# Altium PCB PCB Getway.PcbDoc
Units mm, origin at the board's own origin, x right, y up, seen from the top; angles counter-clockwise.
Board outline 78.14 x 53.25 mm, 2 copper layers (Top Layer, Bottom Layer); 94 components, 50 nets, 282 pads, 61 vias.
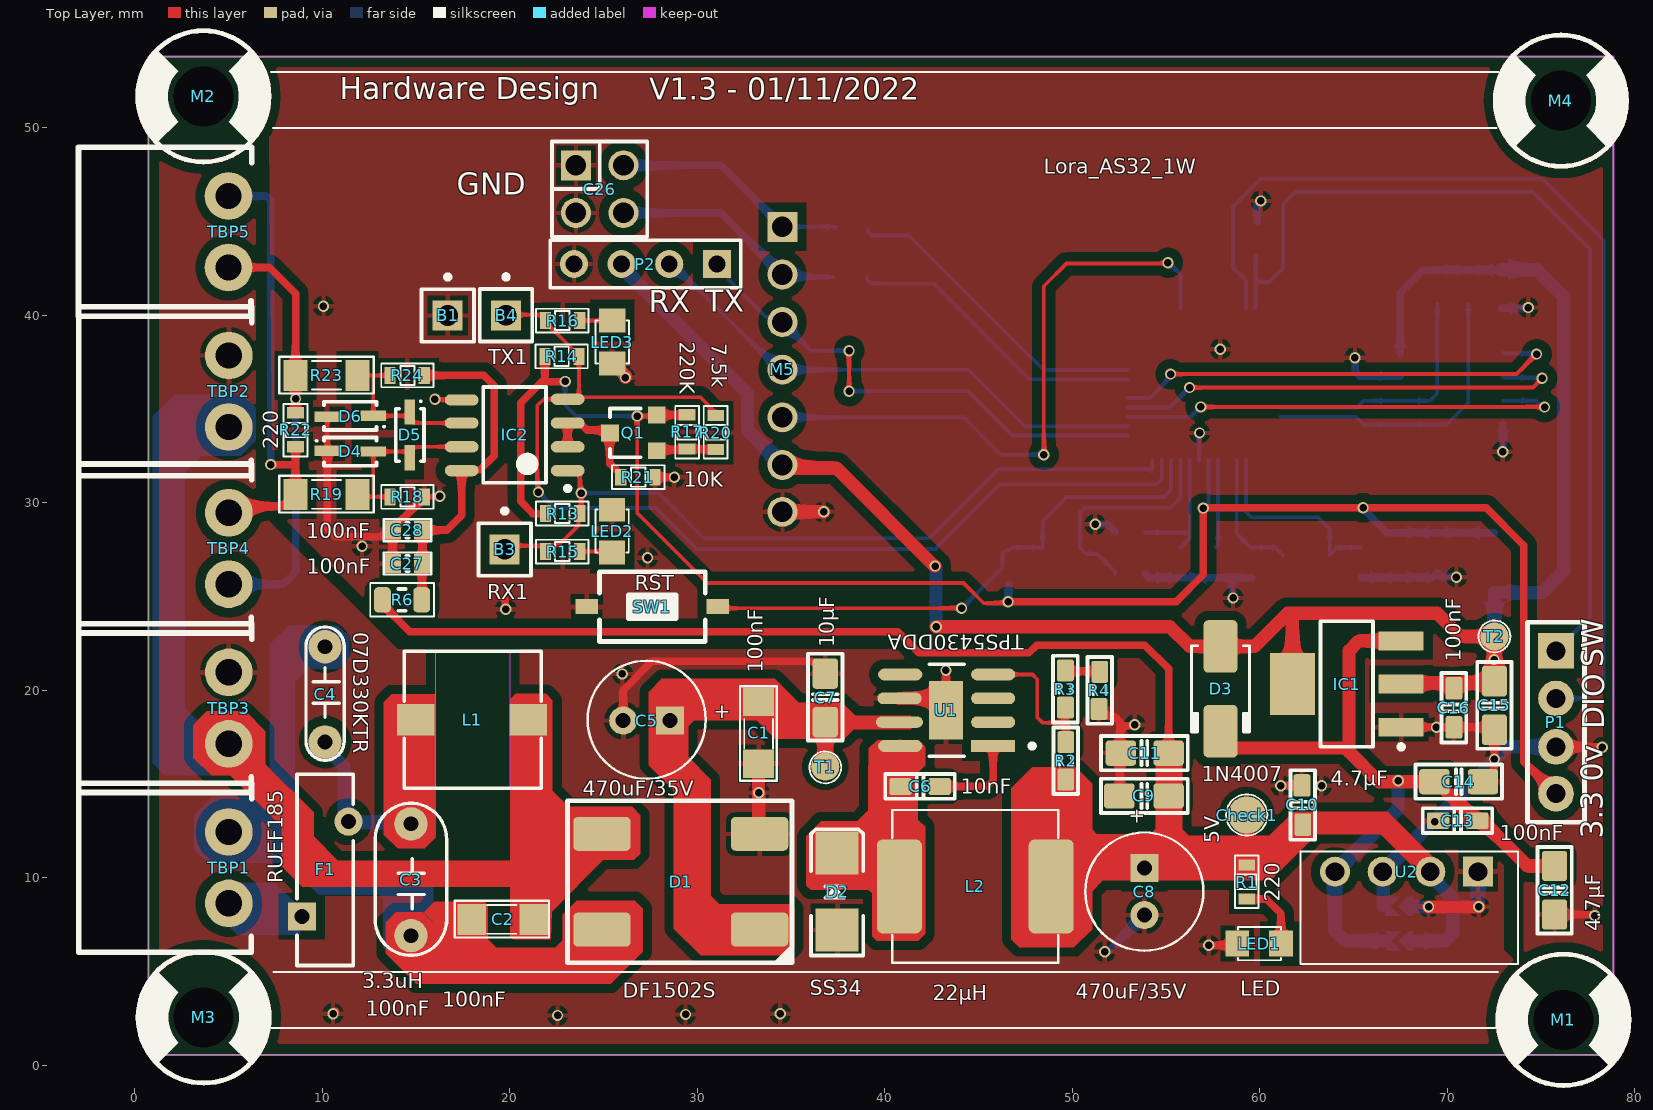
[diagram p0: Top Layer view]
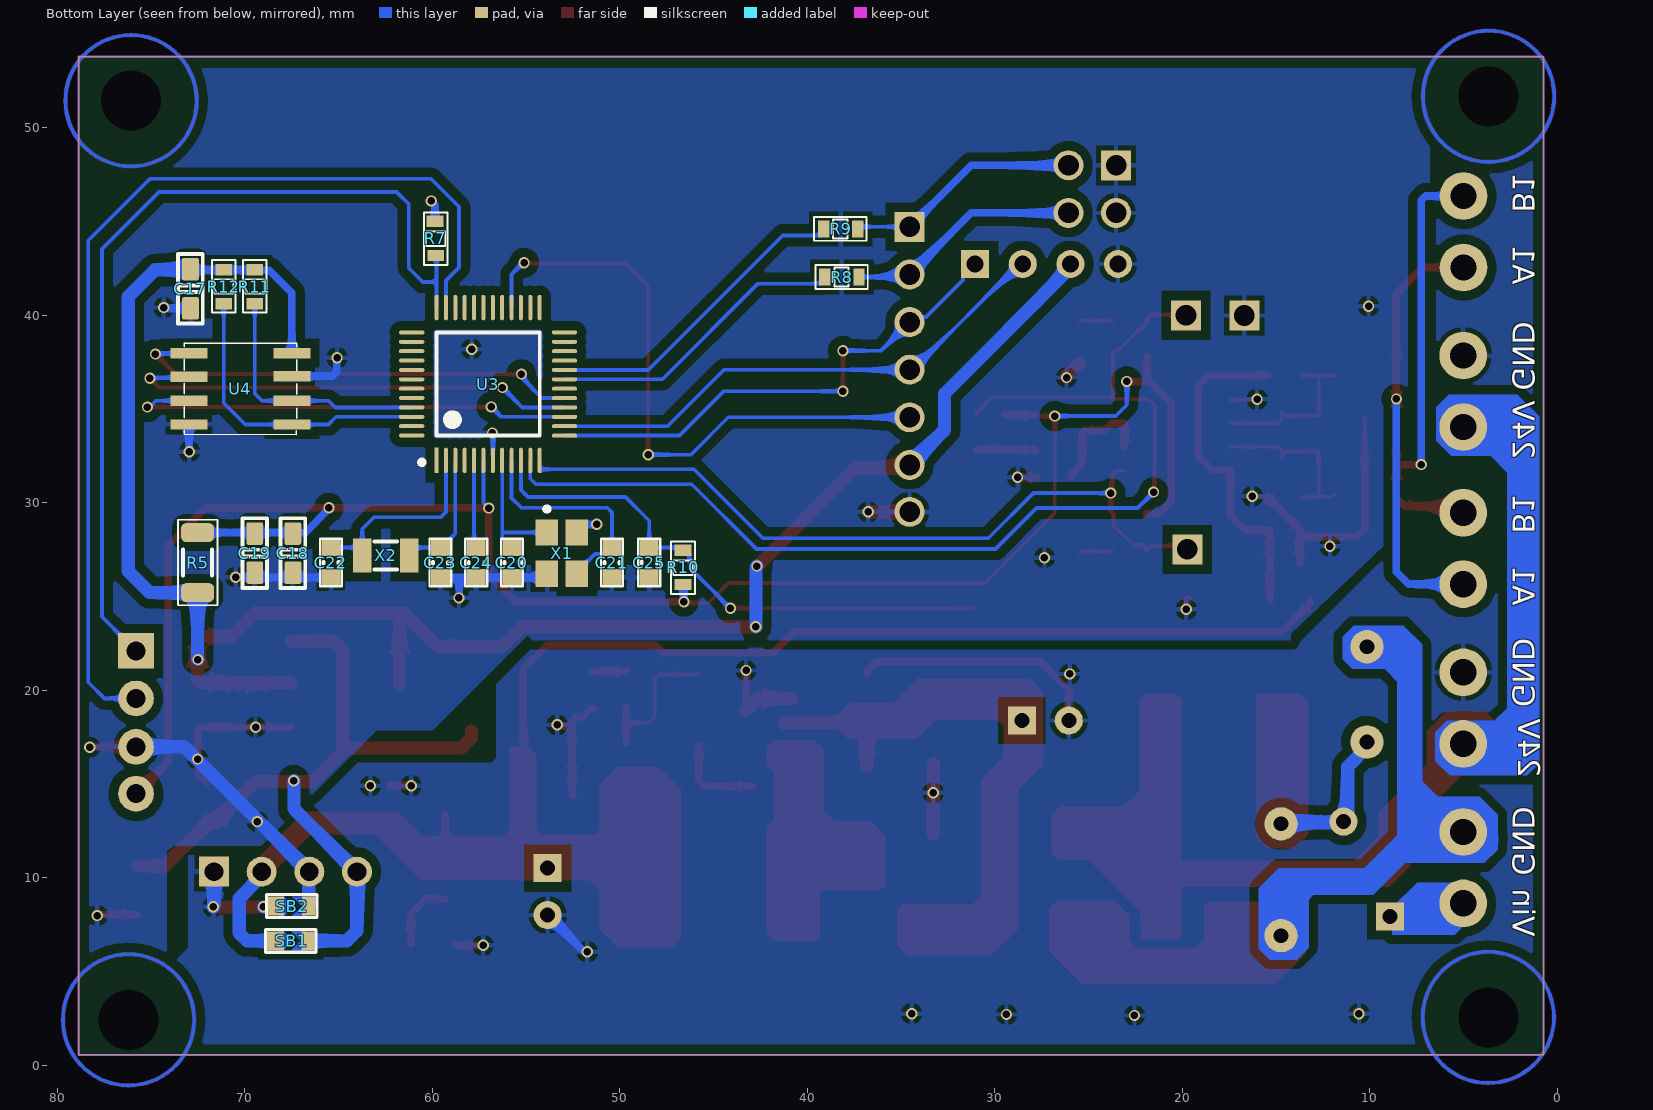
[diagram p1: Bottom Layer view, seen from below]
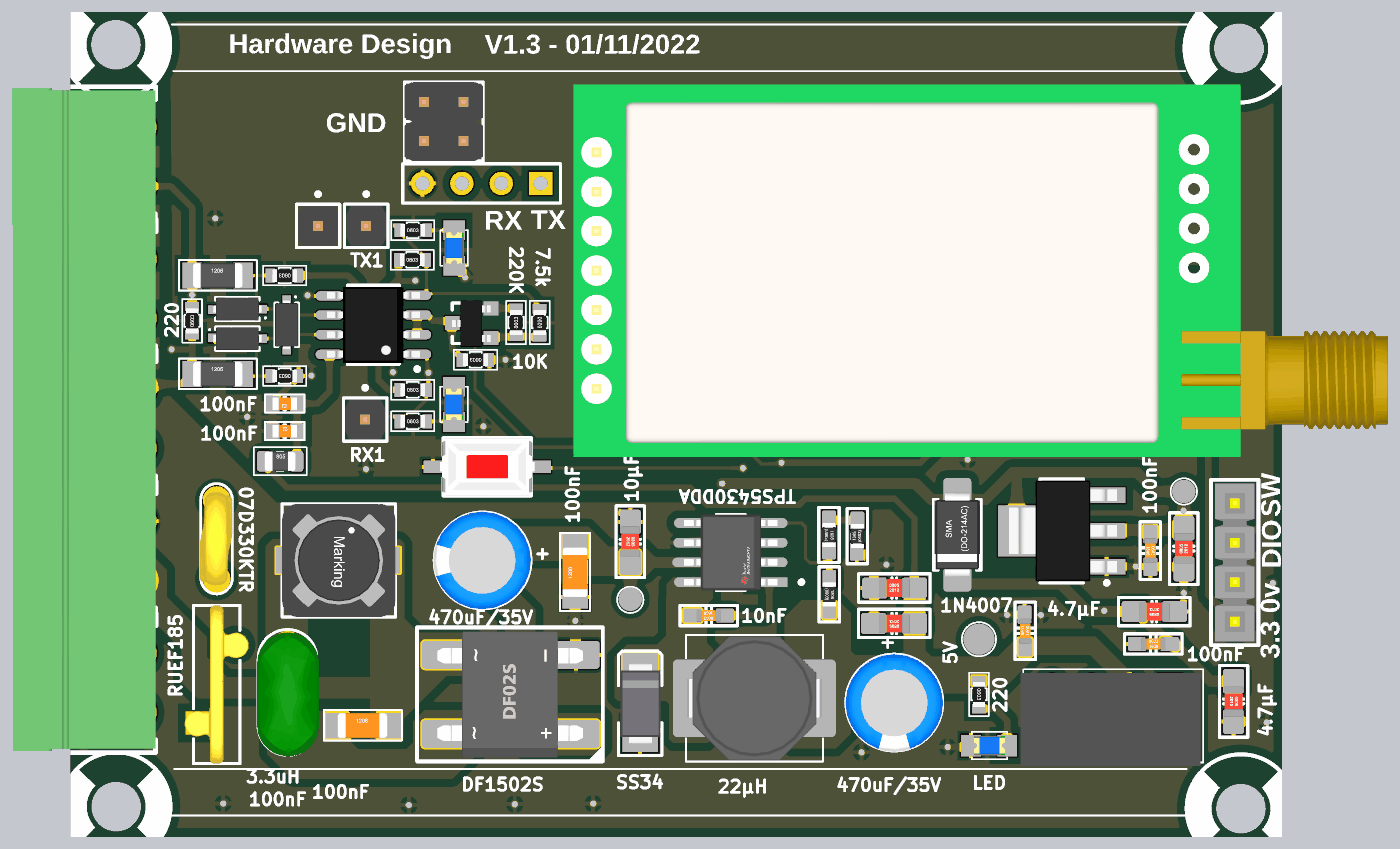
[diagram p2: 3D render of the assembled board from above, using the file's embedded part models]
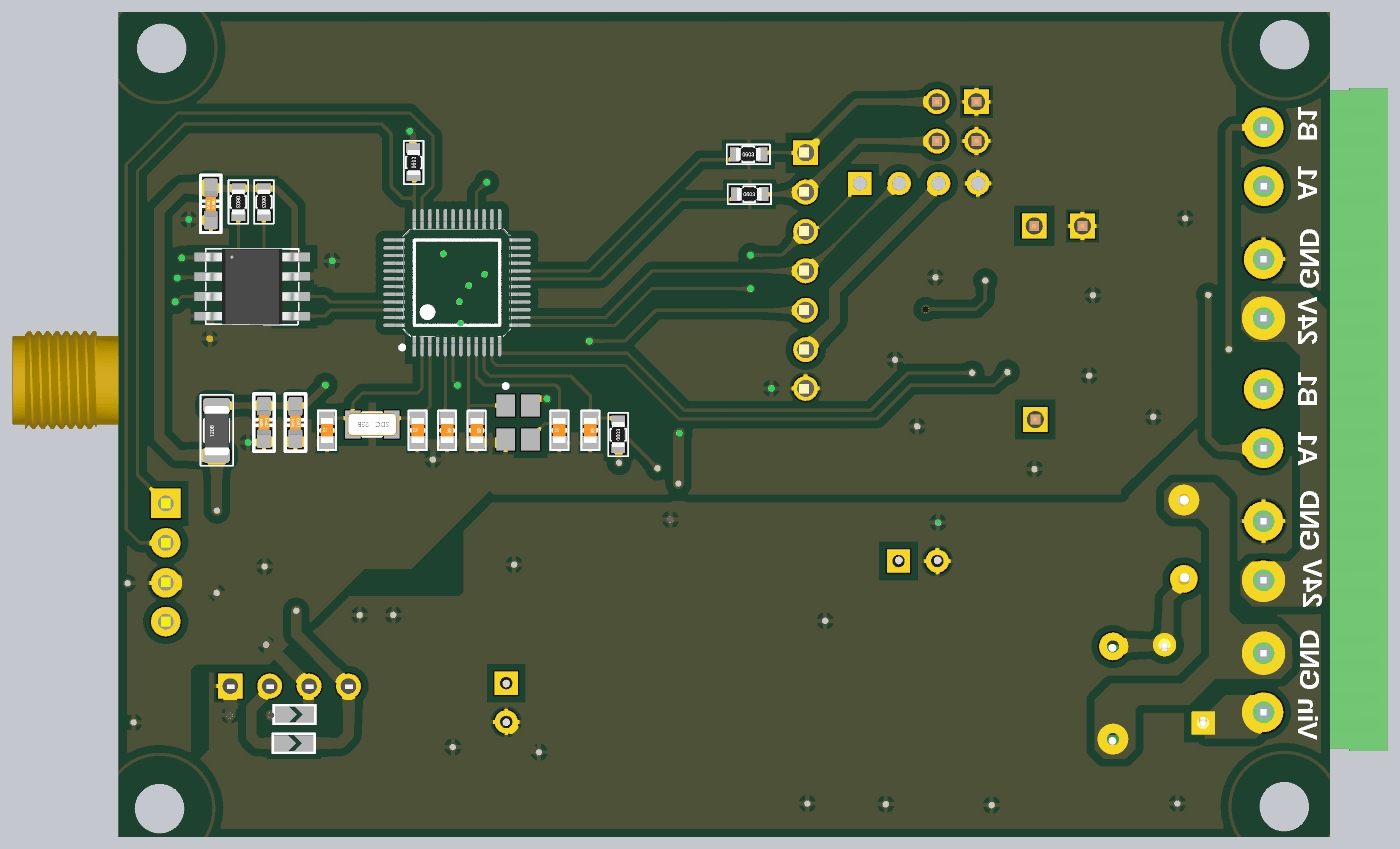
[diagram p3: 3D render of the assembled board from below, using the file's embedded part models]

## Layer stack, top to bottom
Top Solder: solder mask 0.0102, Solder Resist, Dk 3.5
Top Layer: signal copper 0.0356
Dielectric 1: dielectric 0.32, FR-4, Dk 4.8
Bottom Layer: signal copper 0.0356
Bottom Solder: solder mask 0.0102, Solder Resist, Dk 3.5

## Board outline
0.723,0.539 0.723,53.785 78.86,53.785 78.86,0.539

## Design rules (kind name [scope] priority, off if disabled: settings)
Clearance [All] p1: gap=0.254 ignorepadtopadclearanceinfootprint=FALSE except(0: Arc-Hole Track-Hole SMDPad-Hole THPad-Hole Via-Hole Fill-Hole Poly-Hole Region-Hole Text-Hole; 0.5: Arc-Fill Arc-Poly Arc-Region Track-Fill Track-Poly Track-Region SMDPad-Fill SMDPad-Poly SMDPad-Region THPad-Fill THPad-Poly THPad-Region Via-Fill Via-Poly Via-Region Fill-Fill Fill-Poly Fill-Region Poly-Poly Poly-Region Region-Region)
PolygonConnect [All] p1: connectstyle=Relief reliefconductorwidth=0.254 reliefentries=4 polygonreliefangle="90 Angle" airgapwidth=0.254
RoutingVias [All] p1: holewidth=0.4 width=0.6 viastyle="Through Hole" minholewidth=0.4 minwidth=0.6 maxholewidth=0.4 maxwidth=0.6
SolderMaskExpansion [All] p1: expansion=0.102 istentingtop=FALSE
Width [All] p1: maxlimit=0.7 minlimit=0.2 preferedwidth=0.4
30 further rules are at their usual default settings.

## Classes and differential pairs
component class U_Wireless_Lora: C26 M5 P2
component class U_Power: B1 C1 C2 C3 C4 C5 C6 C7 C8 C9 C10 C11 C12 C13 C14 C15 C16 C17 C18 C19 Check1 D1 D2 D3 F1 IC1 L1 L2 LED1 R1 R2 R3 R4 R5 R6 SB1 SB2 T1 T2 TBP1 TBP2 TBP3 U1 U2
component class "U_Modbus RTU": B3 B4 C27 C28 D4 D5 D6 IC2 LED2 LED3 Q1 R13 R14 R15 R16 R17 R18 R19 R20 R21 R22 R23 R24 TBP4 TBP5
component class U_MCU: C20 C21 C22 C23 C24 C25 M1 M2 M3 M4 P1 R7 R8 R9 R10 R11 R12 SW1 U3 U4 X1 X2

## Components (designator, comment, footprint, x,y, rotation, side; value= is the part's Value field where it differs from the comment)
B1 "TX1" Test 16.697,39.978 r0 top
B3 "RX1" Test 19.735,27.5 r0 top
B4 "TX1" Test 19.806,39.983 r0 top
C1 "100nF" CN-SMD-1206 33.274,17.653 r90 top value=33pF
C2 "100nF" CN-SMD-1206 19.56,7.766 r0 top value=33pF
C3 "100nF" CN2.5 14.732,9.652 r90 top value=33pF
C4 "07D330KTR" CN2-T 10.282,19.81 r270 top value=33pF
C5 "470uF/35V" CA-ALU-6.3#1 27.305,18.415 r180 top value=104
C6 "10nF" CAPC1608X90N#1 41.885,14.859 r180 top
C7 "10µF" CAPC2012X135N#1 36.83,19.624 r270 top
C8 "470uF/35V" CA-ALU-6.3#2 53.848,9.251 r270 top value=104
C9 "100nF" CAPC2012X135N#2 53.848,14.351 r180 top
C10 "100nF" CAPC1608X90N#2 62.295,13.87 r90 top
C11 "4.7µF" CAPC2012X135N#3 53.848,16.637 r0 top
C12 "4.7µF" CAPC2012X135N#4 75.725,9.324 r270 top
C13 "100nF" CAPC1608X90N#1 70.551,13.032 r0 top
C14 "4.7µF" CAPC2012X135N#4 70.612,15.113 r180 top
C15 "10µF" CAPC2012X135N#4 72.517,19.177 r90 top
C16 "100nF" CAPC1608X90N#1 70.358,19.05 r270 top
C17 "100nF" CAPC1608X90N#1 72.898,41.402 r270 bottom
C18 "100nF" CAPC1608X90N#1 67.437,27.305 r270 bottom
C19 "100nF" CAPC1608X90N#1 69.469,27.305 r270 bottom
C20 "20pF" CN-SMD-0603 55.753,26.797 r270 bottom value=33pF
C21 "20pF" CN-SMD-0603 50.419,26.797 r90 bottom value=33pF
C22 "20pF" CN-SMD-0603 65.405,26.797 r90 bottom value=33pF
C23 "20pF" CN-SMD-0603 59.563,26.797 r90 bottom value=33pF
C24 "100nF" CN-SMD-0603 57.658,26.797 r270 bottom value=33pF
C25 "100nF" CN-SMD-0603 48.425,26.8 r270 bottom value=33pF
C26 "JP2x2" JP2-D2T 24.803,46.717 r270 top
C27 "100nF" CN-SMD-0603 14.55,26.749 r0 top value=33pF
C28 "100nF" CN-SMD-0603 14.55,28.527 r180 top value=33pF
Check1 "5V" SMD-2 59.309,13.335 r90 top
D1 "DF1502S" DIODE_DF_S 29.083,9.779 r0 top
D2 "SS34" DIO-SMD-106 37.465,9.271 r270 top value=1N5007
D3 "1N4007" DO-214AC 57.912,20.066 r270 top
D4 "PSD12C" PSD12C#1 11.502,32.718 r0 top
D5 "PSD12C" PSD12C#2 14.677,33.607 r270 top
D6 "PSD12C" PSD12C#3 11.502,34.623 r180 top
F1 "RUEF185" RUEF165 10.16,10.414 r90 top
IC1 "LM1117IMP-3.3" SOT223 64.643,20.32 r90 top
IC2 "MAX3485" SO8 20.265,33.607 r180 top
L1 "3.3uH" L-SMD-M-7.3x4.5 18.034,18.415 r90 top
L2 "22µH" IND_COIL_8D43 44.831,9.525 r0 top
LED1 "LED" LED-0805-Blue#1 61.128,6.477 r180 top value="LED 3 - 5 ly 2 Colour"
LED2 "LED" LED-0805-Blue#2 25.461,27.335 r90 top value="LED 3 - 5 ly 2 Colour"
LED3 "LED" LED-0805-Blue#2 25.472,39.703 r270 top value="LED 3 - 5 ly 2 Colour"
M1 "VIT - 3.2mm" "VIT - 3.2MM_2" 76.2,2.413 r135 top
M2 "VIT - 3.2mm" "VIT - 3.2MM_2" 3.668,51.664 r135 top
M3 "VIT - 3.2mm" "VIT - 3.2MM_2" 3.683,2.54 r135 top
M4 "VIT - 3.2mm" "VIT - 3.2MM_2" 76.063,51.432 r135 top
M5 "Lora_AS32_1W" LORA_AS32-TTL-1W 34.429,37.084 r0 top locked
P1 "Header 4" "Header 4" 75.8,22.092 r270 top
P2 "Header 4" HDR1X4 31.048,42.721 r180 top
Q1 "2SA1015" SOT23-321 26.598,33.712 r90 top value=A1015
R1 "220" RES-SMD-0603#1 59.309,9.779 r270 top
R2 "10K_0603_1%" RESC1608X55N#1 49.657,16.231 r270 top value=10K
R3 "3K_0603_0.5%" RESC1608X55N#1 49.637,20.055 r270 top value=3K
R4 "220R_0603_1%" RESC1608X55N#2 51.469,19.98 r90 top value=220R
R5 "0R/R1206/1%" R1206 72.517,26.797 r90 bottom
R6 "0R/R0805/1%" R0805 14.262,24.81 r0 top
R7 "10k" RES-SMD-0603#2 59.817,44.069 r90 bottom
R8 "0" RES-SMD-0603#1 38.175,42.025 r180 bottom
R9 "0" RES-SMD-0603#1 38.239,44.596 r180 bottom
R10 "10k" RES-SMD-0603#1 46.625,26.525 r90 bottom
R11 "4.7k" RES-SMD-0603#1 69.469,41.529 r270 bottom
R12 "4.7k" RES-SMD-0603#1 71.12,41.529 r270 bottom
R13 "4k7" RES-SMD-0603#1 22.805,29.416 r0 top
R14 "4k7" RES-SMD-0603#1 22.767,37.798 r0 top
R15 "220" RES-SMD-0603#1 22.805,27.384 r0 top
R16 "220" RES-SMD-0603#1 22.805,39.703 r0 top
R17 "220K" RES-SMD-0603#1 29.465,33.751 r90 top
R18 "4k7" RES-SMD-0603#1 14.55,30.305 r180 top
R19 "RF1206" RES-SMD-1206 10.232,30.432 r0 top
R20 "7.5k" RES-SMD-0603#1 30.987,33.751 r270 top
R21 "10K" RES-SMD-0603#1 26.857,31.351 r180 top
R22 "220" RES-SMD-0603#1 8.581,33.861 r90 top
R23 "RF1206" RES-SMD-1206 10.232,36.782 r0 top
R24 "4k7" RES-SMD-0603#1 14.55,36.782 r180 top
SB1 "Opened" SB_0603#1 67.495,6.626 r0 bottom
SB2 "Opened" SB_0603#2 67.448,8.481 r0 bottom
SW1 "RST" SW1-SMD 27.606,24.449 r180 top value="SW chip 2 pin"
T1 "Check" SMD_1.5#1 36.83,15.875 r0 top
T2 "Check" SMD_1.5#2 72.517,22.86 r0 top
TBP1 "WE-Terminal Blocks Plugable Type 691322310002" Terminal_Blocks_Pluggable_Socket__Right_Angle__3.81_mm_Pitch__2_Position 5.019,10.53 r270 top locked
TBP2 "WE-Terminal Blocks Plugable Type 691322310002" Terminal_Blocks_Pluggable_Socket__Right_Angle__3.81_mm_Pitch__2_Position 5.019,35.932 r270 top locked
TBP3 "WE-Terminal Blocks Plugable Type 691322310002" Terminal_Blocks_Pluggable_Socket__Right_Angle__3.81_mm_Pitch__2_Position 5.019,19.04 r270 top locked
TBP4 "WE-Terminal Blocks Plugable Type 691322310002" Terminal_Blocks_Pluggable_Socket__Right_Angle__3.81_mm_Pitch__2_Position 5.019,27.55 r270 top locked
TBP5 "WE-Terminal Blocks Plugable Type 691322310002" Terminal_Blocks_Pluggable_Socket__Right_Angle__3.81_mm_Pitch__2_Position 5.008,44.442 r270 top locked
U1 "TPS5430DDA" TPS5430 43.307,18.923 r180 top
U2 "B5050-1R2" B0505_1W 61.844,5.287 r0 top
U3 "STM32G070CBT6" STM32G070CBT6 57.023,36.322 r90 bottom
U4 "24LC512T-I/SN" 24LC512 70.231,36.068 r180 bottom
X1 "XT4" XT4-16.000MHz-4_V 53.086,27.305 r270 bottom value=4Mhz
X2 "32.768kHz" XTAL_3215 62.484,27.178 r0 bottom

## Footprints (in the part's own frame and the unit in brackets; to place one, negate y for a bottom-side part, rotate by r counter-clockwise, add the part's x,y. Pads: shape width x height; smd on the part's side, far side on the other; paste and mask are expansions set on the pad)
24LC512 [mm]
  rect 1.97x0.558 smd paste+0 mask+0: 1(-2.743,1.905) 2(-2.743,0.635) 3(-2.743,-0.635) 4(-2.743,-1.905) 5(2.743,-1.905) 6(2.743,-0.635) 7(2.743,0.676) 8(2.743,1.905)
  silkscreen extent -3,-2.45 3,2.45, body extent -3,-2.45 3,2.45, height 1.76
B0505_1W [mm]
  rect 1.6x1.6 hole 1: 1(9.795,5.025)
  round 1.6 hole 1: 2(7.255,5.025) 3(4.715,5.025) 4(2.175,5.025)
  silkscreen extent 0.32,0.1 11.93,6.1, body extent 0.15,-0.13 11.75,5.87, height 10
CA-ALU-6.3#1 [mm] "Polarized capacitors, Aluminum Electrolytic Capacitors, 2-Leads, Body 6.3x15x2.5x0.5"
  rect 1.5x1.5 hole 0.8: 1(-1.25,0.041)
  round 1.5 hole 0.8: 2(1.25,0.041)
  silkscreen extent -3.15,-3.15 3.15,3.15, body extent -3.12,-3.15 3.18,3.15, height 11
CA-ALU-6.3#2 [mm] "Polarized capacitors, Aluminum Electrolytic Capacitors, 2-Leads, Body 6.3x15x2.5x0.5"
  rect 1.5x1.5 hole 0.8: 1(-1.25,0)
  round 1.5 hole 0.8: 2(1.25,0)
  silkscreen extent -3.15,-3.15 3.15,3.15, body extent -3.12,-3.15 3.18,3.15, height 11
CAPC1608X90N#1 [mm]
  round 0.254 on Mech15: 0(0,0)
  rrect25% 1.2x0.9 smd: 1(-1.041,0) 2(1.041,0)
  Top Layer pour cut-out: -0.356,0.508 -0.356,0.523 -0.344,0.551 -0.323,0.573 -0.295,0.584 -0.279,0.584 -0.279,0.584 0.279,0.584 0.295,0.584 0.323,0.573 0.344,0.551 0.356,0.523 0.356,0.508 0.356,0.508 0.356,-0.508 0.356,-0.523 0.344,-0.551 0.323,-0.573 0.295,-0.584 0.279,-0.584 0.279,-0.584 -0.279,-0.584 -0.295,-0.584 -0.323,-0.573 -0.344,-0.551 -0.356,-0.523 -0.356,-0.508 -0.356,-0.508
  silkscreen extent -1.85,-0.66 1.85,0.66, body extent -0.8,-0.4 0.8,0.4, height 0.79
CAPC1608X90N#2 [mm]
  round 0.254 on Mech15: 0(0,0)
  rrect25% 1.2x0.9 smd: 1(-1.041,0) 2(1.041,0.041)
  Top Layer pour cut-out: -0.356,0.508 -0.356,0.523 -0.344,0.551 -0.323,0.573 -0.295,0.584 -0.279,0.584 -0.279,0.584 0.279,0.584 0.295,0.584 0.323,0.573 0.344,0.551 0.356,0.523 0.356,0.508 0.356,0.508 0.356,-0.508 0.356,-0.523 0.344,-0.551 0.323,-0.573 0.295,-0.584 0.279,-0.584 0.279,-0.584 -0.279,-0.584 -0.295,-0.584 -0.323,-0.573 -0.344,-0.551 -0.356,-0.523 -0.356,-0.508 -0.356,-0.508
  silkscreen extent -1.85,-0.66 1.85,0.66, body extent -0.8,-0.4 0.8,0.4, height 0.79
CAPC2012X135N#1 [mm]
  round 0.254 on Mech15: 0(0,0)
  rrect25% 1.62x1.35 smd: 1(-1.255,0) 2(1.336,0)
  Top Layer pour cut-out: -0.381,0.686 -0.381,0.711 -0.362,0.758 -0.326,0.793 -0.279,0.813 -0.254,0.813 -0.254,0.813 0.254,0.813 0.279,0.813 0.326,0.793 0.362,0.758 0.381,0.711 0.381,0.686 0.381,0.686 0.381,-0.686 0.381,-0.711 0.362,-0.758 0.326,-0.793 0.279,-0.813 0.254,-0.813 0.254,-0.813 -0.254,-0.813 -0.279,-0.813 -0.326,-0.793 -0.362,-0.758 -0.381,-0.711 -0.381,-0.686 -0.381,-0.686
  silkscreen extent -2.31,-0.91 2.31,0.91, body extent -1,-0.62 1,0.63, height 0.89
CAPC2012X135N#2 [mm]
  round 0.254 on Mech15: 0(0,0)
  rrect25% 1.62x1.35 smd: 1(-1.295,0) 2(1.336,0)
  Top Layer pour cut-out: -0.381,0.686 -0.381,0.711 -0.362,0.758 -0.326,0.793 -0.279,0.813 -0.254,0.813 -0.254,0.813 0.254,0.813 0.279,0.813 0.326,0.793 0.362,0.758 0.381,0.711 0.381,0.686 0.381,0.686 0.381,-0.686 0.381,-0.711 0.362,-0.758 0.326,-0.793 0.279,-0.813 0.254,-0.813 0.254,-0.813 -0.254,-0.813 -0.279,-0.813 -0.326,-0.793 -0.362,-0.758 -0.381,-0.711 -0.381,-0.686 -0.381,-0.686
  silkscreen extent -2.31,-0.91 2.31,0.91, body extent -1,-0.62 1,0.63, height 0.89
CAPC2012X135N#3 [mm]
  round 0.254 on Mech15: 0(0,0)
  rrect25% 1.62x1.35 smd: 1(-1.255,0) 2(1.295,0)
  Top Layer pour cut-out: -0.381,0.686 -0.381,0.711 -0.362,0.758 -0.326,0.793 -0.279,0.813 -0.254,0.813 -0.254,0.813 0.254,0.813 0.279,0.813 0.326,0.793 0.362,0.758 0.381,0.711 0.381,0.686 0.381,0.686 0.381,-0.686 0.381,-0.711 0.362,-0.758 0.326,-0.793 0.279,-0.813 0.254,-0.813 0.254,-0.813 -0.254,-0.813 -0.279,-0.813 -0.326,-0.793 -0.362,-0.758 -0.381,-0.711 -0.381,-0.686 -0.381,-0.686
  silkscreen extent -2.31,-0.91 2.31,0.91, body extent -1,-0.62 1,0.63, height 0.89
CAPC2012X135N#4 [mm]
  round 0.254 on Mech15: 0(0,0)
  rrect25% 1.62x1.35 smd: 1(-1.295,0) 2(1.295,0)
  Top Layer pour cut-out: -0.381,0.686 -0.381,0.711 -0.362,0.758 -0.326,0.793 -0.279,0.813 -0.254,0.813 -0.254,0.813 0.254,0.813 0.279,0.813 0.326,0.793 0.362,0.758 0.381,0.711 0.381,0.686 0.381,0.686 0.381,-0.686 0.381,-0.711 0.362,-0.758 0.326,-0.793 0.279,-0.813 0.254,-0.813 0.254,-0.813 -0.254,-0.813 -0.279,-0.813 -0.326,-0.793 -0.362,-0.758 -0.381,-0.711 -0.381,-0.686 -0.381,-0.686
  silkscreen extent -2.31,-0.91 2.31,0.91, body extent -1,-0.62 1,0.63, height 0.89
CN2-T [mil]
  round 70 hole 31: 1(-98.39,-5) 2(101.61,-5)
  silkscreen extent -140,-45 140,35, body extent -118,-48 118,35, height 319
CN2.5 [mil] "Tu pin to pin 250mil"
  round 70 hole 31: 1(-108.39,0) 2(126.61,0)
  silkscreen extent -150,-75 170,75, body extent -152,-80 162,77, height 539
CN-SMD-0603 [mm]
  rect 0.9x1 smd: 1(-0.8,0) 2(0.8,0)
  silkscreen extent -1.27,-0.58 1.27,0.58, body extent -0.8,-0.4 0.8,0.4, height 0.3
CN-SMD-1206 [mil]
  rect 60x65 smd: 1(-62.39,0) 2(67.61,0)
  silkscreen extent -98,-38 100,39, body extent -63,-31 63,32, height 40
DIO-SMD-106 [mil]
  rect 90x90.55 smd: 1(81.61,0) 2(-80,0)
  silkscreen extent -130,-55 135,55, body extent -99,-50 106,52, height 95
DIODE_DF_S [mm]
  round 0.508 on Mech15: 0(0,0)
  rrect25% 3.048x1.8 smd: 1(4.25,-2.55) 2(-4.168,-2.55) 3(4.25,2.55) 4(-4.168,2.55)
  silkscreen extent -5.99,-4.32 5.99,4.32, body extent -4.7,-4.06 4.7,4.07, height 2.71
DO-214AC [mil]
  round 20 on Mech15: 0(0,0)
  rrect25% 110x70.87 smd mask+0: A(-89,0)
  rrect25% 110x70.87 smd mask-2: C(89,0)
  silkscreen extent -91,-61 91,61, body extent -108,-55 108,55, height 102
HDR1X4 [mm] "Connector; Header; 4 Position"
  rect 1.5x1.5 hole 0.9: 1(0,0)
  round 1.5 hole 0.9: 2(2.54,0) 3(5.08,0) 4(7.62,0)
  silkscreen extent -1.27,-1.27 8.89,1.27
"Header 4" [mil] "Connector; Header; 4 Position; Solder Pad 35mil"
  rect 75x75 hole 40: 1(0,0)
  round 75 hole 40: 2(100,0) 3(201.61,0) 4(300,0)
  silkscreen extent -60,-60 360,60, body extent -50,-50 350,50, height 330
IND_COIL_8D43 [mm]
  round 0.5 on Mech3: 0(0,0)
  rrect25% 2.4x5 smd mask-0.102: 1(-4.05,0) 2(4.05,0)
  silkscreen extent -4.42,-4.08 4.42,4.08, body extent -4.34,-4 4.34,4, height 4.63
JP2-D2T [mm] "4 pins, dual pin, straight, gold plating"
  rect 1.6x1.6 hole 1.1: 1(-1.27,-1.27)
  round 1.6 hole 1.1: 2(1.27,-1.27) 3(1.27,1.27) 4(-1.27,1.27)
  silkscreen extent -2.54,-2.54 2.54,2.54, body extent -2.54,-2.54 2.54,2.54, height 8.55
L-SMD-M-7.3x4.5 [mm] "WE-PDA SMD Shielded Power Inductor, 7345"
  rect 1.7x2 smd: 1(0,3.041) 2(0,-2.959)
  Top Layer keep-out region: -3.65,-2 3.65,-2 3.65,2 -3.65,2
  silkscreen extent -3.65,-3.65 3.65,3.65, body extent -3.65,-3.65 3.65,3.65, height 4.05
LED-0805-Blue#1 [mil]
  rect 50x55 smd: 1(0,0) 2(91.61,0)
  silkscreen extent 0,-35 90,35, body extent 5,-25 85,25, height 43
LED-0805-Blue#2 [mil]
  rect 50x55 smd: 1(0,0) 2(90,0)
  silkscreen extent 0,-35 90,35, body extent 5,-25 85,25, height 43
LORA_AS32-TTL-1W [mm]
  rect 1.6x1.6 hole 1.1: 1(0.115,7.62)
  round 1.6 hole 1.1: 2(0.115,5.08) 3(0.115,2.54) 4(0.115,0) 5(0.115,-2.54) 6(0.115,-5.08) 7(0.115,-7.579)
  body extent -1.26,-12 51.24,12, height 7.5
PSD12C#1 [mm] "Molded Diode, 2-Leads, Body 2.60x1.35mm, IPC Medium Density"
  rect 1.35x0.55 smd: 1(-1.225,0.041) 2(1.225,0)
  silkscreen extent -1.85,-0.75 1.4,0.75, body extent -1.62,-0.75 1.62,0.75, height 1.1
PSD12C#2 [mm] "Molded Diode, 2-Leads, Body 2.60x1.35mm, IPC Medium Density"
  rect 1.35x0.55 smd: 1(-1.225,0) 2(1.225,0)
  silkscreen extent -1.85,-0.75 1.4,0.75, body extent -1.62,-0.75 1.62,0.75, height 1.1
PSD12C#3 [mm] "Molded Diode, 2-Leads, Body 2.60x1.35mm, IPC Medium Density"
  rect 1.35x0.55 smd: 1(-1.225,0) 2(1.225,0.041)
  silkscreen extent -1.85,-0.75 1.4,0.75, body extent -1.62,-0.75 1.62,0.75, height 1.1
R0805 [mm]
  rrect50% 0.9x1.35 smd: 1(-1.05,0) 2(1.05,0)
  silkscreen extent -1.7,-0.9 1.7,0.9, body extent -1.01,-0.63 0.99,0.62, height 0.78
R1206 [mm]
  rrect50% 1x1.75 smd: 1(-1.6,0) 2(1.6,0)
  silkscreen extent -2.27,-1.06 2.29,1.04, body extent -1.61,-0.81 1.59,0.79, height 1
RES-SMD-0603#1 [mm]
  rect 0.6x0.9 smd: 1(-0.889,0) 2(0.927,0)
  silkscreen extent -1.4,-0.64 1.4,0.64, body extent -0.8,-0.4 0.8,0.4, height 0.43
RES-SMD-0603#2 [mm]
  rect 0.6x0.9 smd: 1(-0.889,0) 2(0.927,0.041)
  silkscreen extent -1.4,-0.64 1.4,0.64, body extent -0.8,-0.4 0.8,0.4, height 0.43
RES-SMD-1206 [mil]
  rect 50x65 smd: 1(-65,0) 2(65,0)
  silkscreen extent -99,-38 99,39, body extent -63,-31 63,32, height 40
RESC1608X55N#1 [mm]
  round 0.254 on Mech3: 0(0,0)
  rrect25% 1.17x0.9 smd: 1(-0.991,0) 2(0.991,0)
  Top Layer pour cut-out: -0.356,0.508 -0.356,0.523 -0.344,0.551 -0.323,0.573 -0.295,0.584 -0.279,0.584 -0.279,0.584 0.279,0.584 0.295,0.584 0.323,0.573 0.344,0.551 0.356,0.523 0.356,0.508 0.356,0.508 0.356,-0.508 0.356,-0.523 0.344,-0.551 0.323,-0.573 0.295,-0.584 0.279,-0.584 0.279,-0.584 -0.279,-0.584 -0.295,-0.584 -0.323,-0.573 -0.344,-0.551 -0.356,-0.523 -0.356,-0.508 -0.356,-0.508
  silkscreen extent -1.78,-0.66 1.78,0.66, body extent -0.77,-0.42 0.78,0.43, height 0.44
RESC1608X55N#2 [mm]
  round 0.254 on Mech3: 0(0,0)
  rrect25% 1.17x0.9 smd: 1(-0.991,0.041) 2(0.991,0)
  Top Layer pour cut-out: -0.356,0.508 -0.356,0.523 -0.344,0.551 -0.323,0.573 -0.295,0.584 -0.279,0.584 -0.279,0.584 0.279,0.584 0.295,0.584 0.323,0.573 0.344,0.551 0.356,0.523 0.356,0.508 0.356,0.508 0.356,-0.508 0.356,-0.523 0.344,-0.551 0.323,-0.573 0.295,-0.584 0.279,-0.584 0.279,-0.584 -0.279,-0.584 -0.295,-0.584 -0.323,-0.573 -0.344,-0.551 -0.356,-0.523 -0.356,-0.508 -0.356,-0.508
  silkscreen extent -1.78,-0.66 1.78,0.66, body extent -0.77,-0.42 0.78,0.43, height 0.44
RUEF165 [mm]
  rect 1.5x1.5 hole 0.8 paste-1000 mask+0: 1(-2.484,1.245)
  round 1.5 hole 0.8 paste-1000 mask+0: 2(2.566,-1.245)
  silkscreen extent -5.1,-1.5 5.1,1.5, body extent -5.2,-1.94 5.2,1.94, height 0.25
SB_0603#1 [mm]
  rect 0.9x1.016 smd: 1(0.857,0)
  rect 0.7x1.016 smd mask-0.051: 2(-0.857,0)